# Altium PCB Spektrop2_PCB_Combined_CMV4000_V1.PcbDoc (part 5 of 6)
Units mm, origin at the board's own origin, x right, y up, seen from the top; angles counter-clockwise.
Board outline 87 x 42 mm, 8 copper layers (TOP, L1-GND, L2, L3-1V8, L4-PWR, L5, L6-P2V5, BTM), stack 1.588 mm thick; 353 components, 311 nets, 2431 pads, 951 vias.
Unrouted connection lines stored in the file: 2.
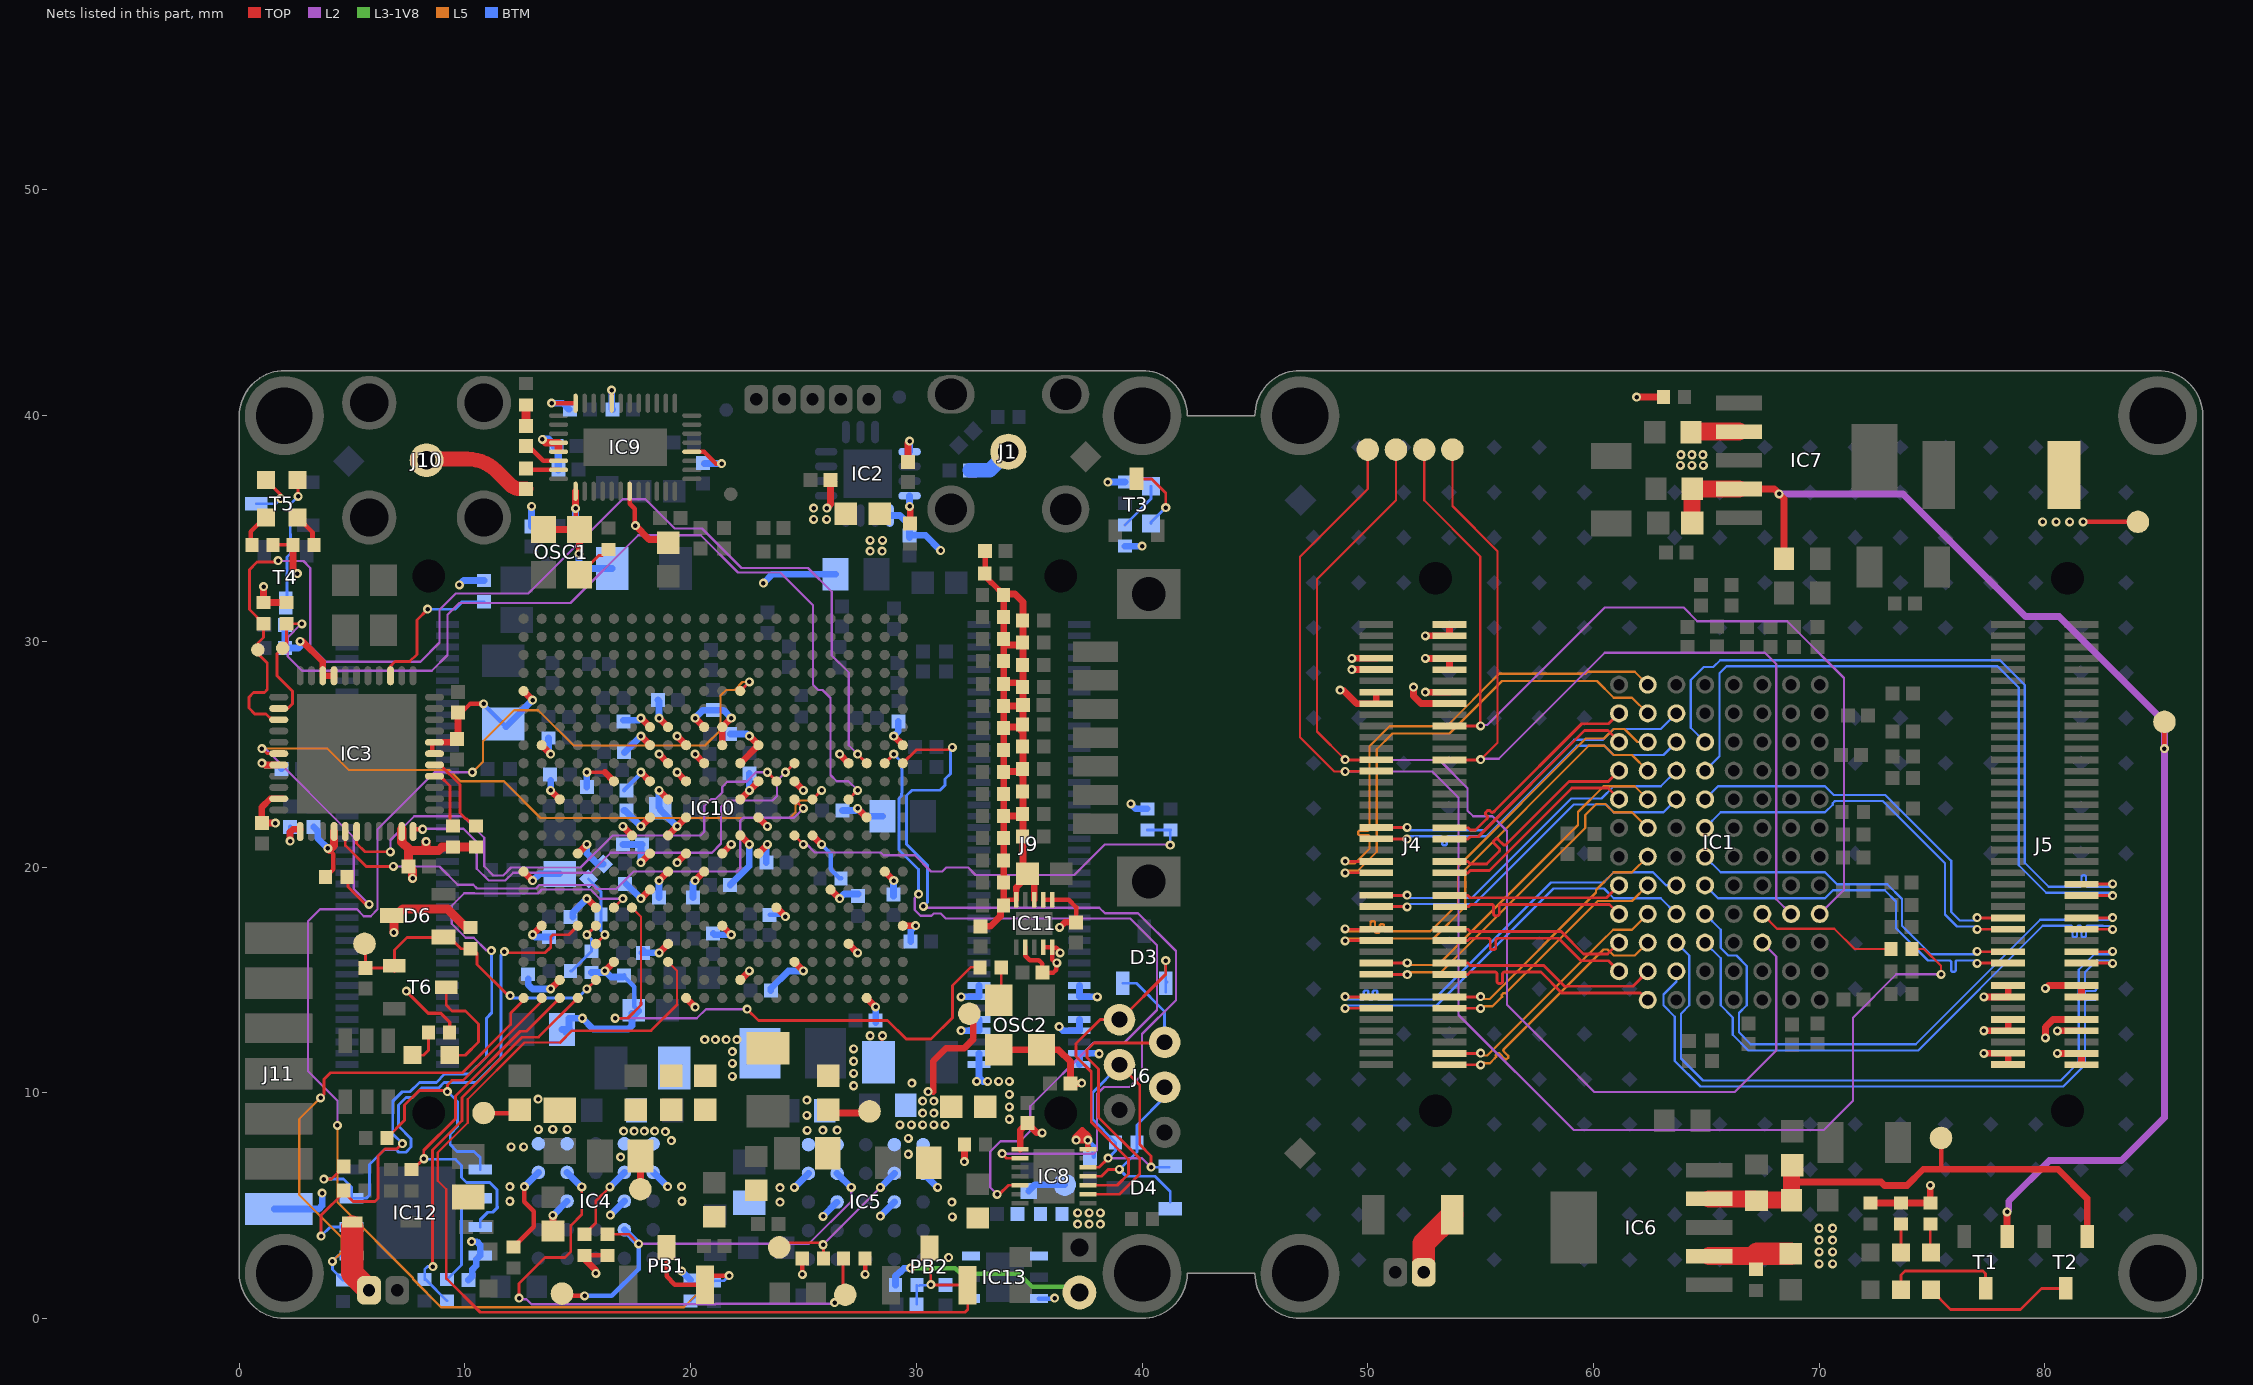
[diagram p11: the nets of this part, all layers, seen from the top]

## Via types
v1: diameter 0.4, hole 0.2, TOP to BTM, tented both sides, 949 vias
v2: diameter 0.4/0.4/0.4/0.4/0.6 (per signal layer), hole 0.2, TOP to BTM, tented top, 2 vias

## Nets (pads, with @x,y where several pads share a name; then routed paths per layer and width w, separated by ;. In a path a pad name is that pad's centre, name@x,y a point inside that pad or via, vN(x,y) a via of type N, cw(c..) or ccw(c..) an arc to the next point about the centre after c; other vN are vias at no path point) (continued)
NetLD3_1: LD3.1 T1.3 | length 5.2
  TOP w0.125: LD3.1@73.625,1.271 73.625,1.921 73.8,2.096 77.259,2.096 77.375,1.98 T1.3@77.375,1.33
NetLD3_2: LD3.2 R29.1 | length 1.3
  TOP w0.125: LD3.2@73.625,2.921 LD3.2@73.625,2.921 R29.1@73.624,4.176
NetLD4_1: LD4.1 T2.3 | length 6.7
  TOP w0.125: LD4.1@74.95,1.271 75.825,0.396 78.925,0.396 79.859,1.33 T2.3@80.925,1.33
NetLD4_2: LD4.2 R30.1 | length 1.3
  TOP w0.125: R30.1@74.925,4.176 74.925,2.946 LD4.2@74.95,2.921
NetLD5_1: LD5.1 T3.3 | length 3.2
  TOP w0.125: T3.3@39.753,37.197 40.428,37.197 41.05,36.575 v1(41.05,35.925)
  BTM w0.125: LD5.1@40.403,35.222 40.403,35.278 v1(41.05,35.925)
NetLD5_2: LD5.2 R39.1 | length 2.2
  BTM w0.125: R39.1@39.242,35.157 40.403,36.318 LD5.2@40.403,36.872
NetLD6_1: LD6.1 T4.3 | length 5.7
  TOP w0.125: LD6.1@2.586,37.121 2.605,37.102 v1(2.605,36.421)
  BTM w0.125: T4.3@2.05,31.7 2.113,31.763 2.113,33.736 2.275,33.898 2.275,34.752 2.263,34.764 2.263,36.078 v1(2.605,36.421)
NetLD6_2: LD6.2 R69.1 | length 1.5
  TOP w0.2: LD6.2@2.586,35.496 3.245,34.837 R69.1@3.245,34.275
NetLD7_1: LD7.1 T5.3 | length 2.3
  TOP w0.125: LD7.1@1.186,37.146 1.836,36.496 v1(1.836,36.321)
  BTM w0.125: T5.3@0.75,36.1 1.614,36.1 v1(1.836,36.321)
NetLD7_2: LD7.2 R70.1 | length 1.5
  TOP w0.2: R70.1@0.485,34.275 0.5,34.29 0.5,34.85 1.146,35.496 LD7.2@1.186,35.496
NetLD8_1: LD8.1 T6.3 | length 4.6
  TOP w0.125: T6.3@9.175,14.425 9.175,13.875 9.425,13.625 10.025,13.625 10.6,13.05 10.6,12.25 10.012,11.662 LD8.1@9.325,11.662
NetLD8_2: LD8.2 R82.1 | length 1.6
  TOP w0.125: LD8.2@7.675,11.662 8.163,11.662 8.38,11.88 R82.1@8.38,12.675 R82.1@8.38,12.725
NetOSC1_3: OSC1.3 R35.1 | length 1.8
  TOP w0.125: OSC1.3@15.075,32.95 15.925,33.8 16.086,33.8 R35.1@16.361,34.075
NetOSC2_3: OSC2.3 R75.2 | length 1.5
  TOP w0.125: OSC2.3@33.65,14.1 33.763,14.213 R75.2@33.763,15.557
nSDO0: C74.2 R34.1 | length 0.9
  TOP w0.4: C74.2@12.712,39.55 R34.1@12.712,40.48
nSDO0_C: C74.1 IC9.26 | length 1.7
  TOP w0.2: C74.1@12.712,38.65 12.825,38.65 13.475,38 IC9.26@14.15,38
OUT1_N: IC1.C2 J5.61 | length 32.2
  TOP w0.125: J5.61@81.626,15.746 82.987,15.746 v1(82.999,15.733)
  BTM w0.1: IC1.C2@63.675,15.381 63.675,14.924 63.1,14.349 63.1,13.873 63.605,13.368 63.605,11.409 64.738,10.276 80.812,10.276 81.775,11.239 81.775,13.846 81.775,13.911 81.775,14.041 cw(c81.845,14.041) 81.845,14.111 82.205,14.111 ccw(c82.205,14.181) 82.275,14.181 82.275,14.241 ccw(c82.205,14.241) 82.205,14.311 81.845,14.311 cw(c81.845,14.381) 81.775,14.381 81.775,14.441 cw(c81.845,14.441) 81.845,14.511 82.205,14.511 ccw(c82.205,14.581) 82.275,14.581 82.275,14.641 ccw(c82.205,14.641) 82.205,14.711 81.845,14.711 cw(c81.845,14.781) 81.775,14.781 81.775,14.911 81.775,15.111 81.775,15.211 81.775,15.336 82.3,15.861 82.872,15.861 v1(82.999,15.733)
OUT1_P: IC1.C3 J5.59 | length 31.2
  TOP w0.125: J5.59@81.626,16.246 82.987,16.246 v1(82.999,16.258)
  BTM w0.1: IC1.C3@63.675,16.651 64.25,16.076 64.25,13.873 63.875,13.498 63.875,11.521 64.85,10.546 80.7,10.546 81.505,11.351 81.505,15.448 82.188,16.131 82.872,16.131 v1(82.999,16.258)
OUT2_N: IC1.A2 J4.57 | length 9
  TOP w0.125: J4.57@53.626,16.742 54.438,16.742 54.541,16.845 55.05,16.845 55.175,16.845 55.338,16.845 cw(c55.338,16.758) 55.425,16.758 55.425,16.433 ccw(c55.513,16.433) 55.513,16.345 55.588,16.345 ccw(c55.588,16.433) 55.675,16.433 55.675,16.758 cw(c55.763,16.758) 55.763,16.845 55.85,16.845 58.451,16.845 59.445,15.851 60.665,15.851 IC1.A2@61.135,15.381
OUT2_P: IC1.A3 J4.55 | length 8.2
  TOP w0.125: J4.55@53.626,17.243 54.438,17.243 54.541,17.14 58.573,17.14 59.567,16.146 60.63,16.146 IC1.A3@61.135,16.651
OUT3_N: IC1.D3 J5.55 | length 27.2
  TOP w0.125: J5.55@81.626,17.246 82.987,17.246 v1(82.999,17.233)
  BTM w0.1: IC1.D3@64.945,16.651 65.64,15.956 65.64,13.873 66.175,13.338 66.175,12.564 66.863,11.876 74.387,11.876 79.907,17.396 80.925,17.396 81.025,17.396 81.155,17.396 cw(c81.155,17.326) 81.225,17.326 81.225,16.966 ccw(c81.295,16.966) 81.295,16.896 81.355,16.896 ccw(c81.355,16.966) 81.425,16.966 81.425,17.326 cw(c81.495,17.326) 81.495,17.396 81.555,17.396 cw(c81.555,17.326) 81.625,17.326 81.625,16.966 ccw(c81.695,16.966) 81.695,16.896 81.755,16.896 ccw(c81.755,16.966) 81.825,16.966 81.825,17.326 cw(c81.895,17.326) 81.895,17.396 82.025,17.396 82.1,17.396 82.575,17.396 82.588,17.383 82.849,17.383 v1(82.999,17.233)
OUT3_P: IC1.D4 J5.53 | length 26.8
  TOP w0.125: J5.53@81.626,17.746 82.987,17.746 v1(82.999,17.758)
  BTM w0.1: IC1.D4@64.945,17.921 65.64,17.226 65.64,16.413 65.977,16.076 66.333,16.076 66.79,15.619 66.79,13.873 66.445,13.528 66.445,12.676 66.975,12.146 74.275,12.146 79.795,17.666 82.907,17.666 v1(82.999,17.758)
OUT4_N: IC1.B3 J4.79 | length 12.1
  TOP w0.125: J4.79@53.626,11.242 54.988,11.242 v1(55,11.23)
  L5 w0.1: v1(55,11.23) 55.103,11.333 55.167,11.333 55.188,11.312 55.412,11.312 55.625,11.525 55.696,11.596 cw(c55.745,11.645) 55.696,11.695 55.738,11.737 cw(c55.788,11.688) 55.837,11.737 56.071,11.503 ccw(c56.121,11.553) 56.17,11.503 56.213,11.545 ccw(c56.163,11.595) 56.213,11.644 56.028,11.829 cw(c56.078,11.879) 56.028,11.928 56.036,11.935 60.45,16.35 60.623,16.35 60.897,16.076 61.83,16.076 IC1.B3@62.405,16.651
OUT4_P: IC1.B4 J4.77 | length 11.4
  TOP w0.125: J4.77@53.626,11.743 54.988,11.743 v1(55,11.755)
  L5 w0.1: v1(55,11.755) 55.103,11.653 55.3,11.653 60.332,16.684 60.874,17.226 61.71,17.226 IC1.B4@62.405,17.921
OUT5_N: IC1.A4 J4.51 | length 8.6
  TOP w0.125: J4.51@53.638,18.24 54.451,18.24 54.554,18.344 55.2,18.344 55.325,18.344 55.488,18.344 cw(c55.488,18.256) 55.575,18.256 55.575,17.931 ccw(c55.663,17.931) 55.663,17.844 55.738,17.844 ccw(c55.738,17.931) 55.825,17.931 55.825,18.256 cw(c55.913,18.256) 55.913,18.344 55.95,18.344 60.712,18.344 IC1.A4@61.135,17.921
OUT5_P: IC1.A5 J4.49 | length 7.8
  TOP w0.125: J4.49@53.626,18.742 54.438,18.742 54.542,18.639 60.582,18.639 IC1.A5@61.135,19.191
OUT6_N: IC1.C4 J4.70 | length 18.7
  TOP w0.125: v1(49.001,13.733) 49.013,13.746 J4.70@50.374,13.746
  BTM w0.1: v1(49.001,13.733) 49.128,13.861 53.047,13.861 58.232,19.046 60.467,19.046 60.897,18.616 62.98,18.616 IC1.C4@63.675,17.921
OUT6_P: IC1.C5 J4.68 | length 20
  TOP w0.125: v1(49.001,14.258) 49.013,14.246 J4.68@50.374,14.246
  BTM w0.1: v1(49.001,14.258) 49.128,14.131 49.725,14.131 49.755,14.131 ccw(c49.755,14.201) 49.825,14.201 49.825,14.461 cw(c49.895,14.461) 49.895,14.531 49.955,14.531 cw(c49.955,14.461) 50.025,14.461 50.025,14.201 ccw(c50.095,14.201) 50.095,14.131 50.155,14.131 ccw(c50.155,14.201) 50.225,14.201 50.225,14.461 cw(c50.295,14.461) 50.295,14.531 50.355,14.531 cw(c50.355,14.461) 50.425,14.461 50.425,14.201 ccw(c50.495,14.201) 50.495,14.131 50.625,14.131 50.675,14.131 52.935,14.131 58.12,19.316 60.447,19.316 60.897,19.766 62.643,19.766 63.218,19.191 IC1.C5@63.675,19.191
OUT7_N: IC1.B5 J4.69 | length 11.1
  TOP w0.125: J4.69@53.626,13.746 54.987,13.746 v1(54.999,13.733)
  L5 w0.1: v1(54.999,13.733) 55.102,13.836 55.533,13.836 55.884,14.187 55.955,14.258 cw(c56.004,14.307) 55.955,14.357 55.997,14.399 cw(c56.046,14.35) 56.096,14.399 56.159,14.462 60.193,18.496 61.71,18.496 IC1.B5@62.405,19.191
OUT7_P: IC1.B6 J4.67 | length 11.5
  TOP w0.125: J4.67@53.626,14.246 54.987,14.246 v1(54.999,14.258)
  L5 w0.1: v1(54.999,14.258) 55.102,14.156 55.4,14.156 60.115,18.871 60.115,18.984 60.897,19.766 61.71,19.766 IC1.B6@62.405,20.461
OUT8_N: IC1.D5 J5.62 | length 16.7
  TOP w0.125: v1(77.001,15.733) 77.013,15.746 J5.62@78.374,15.746
  BTM w0.1: IC1.D5@64.945,19.191 65.52,18.616 70.263,18.616 70.618,18.971 72.91,18.971 73.405,18.476 73.405,17.284 74.828,15.861 75.55,15.861 75.65,15.861 75.78,15.861 cw(c75.78,15.791) 75.85,15.791 75.85,15.431 ccw(c75.92,15.431) 75.92,15.361 75.98,15.361 ccw(c75.98,15.431) 76.05,15.431 76.05,15.791 cw(c76.12,15.791) 76.12,15.861 76.25,15.861 76.425,15.861 76.873,15.861 v1(77.001,15.733)
OUT8_P: IC1.D6 J5.60 | length 16
  TOP w0.125: v1(77.001,16.258) 77.013,16.246 J5.60@78.374,16.246
  BTM w0.1: IC1.D6@64.945,20.461 65.64,19.766 70.263,19.766 70.788,19.241 73.022,19.241 73.675,18.588 73.675,17.396 74.94,16.131 76.873,16.131 v1(77.001,16.258)
OUT9_N: IC1.D7 J5.56 | length 17.7
  TOP w0.125: v1(77,17.233) 77.012,17.246 J5.56@78.374,17.246
  BTM w0.1: IC1.D7@64.945,21.731 65.64,22.426 70.263,22.426 70.6,22.763 70.6,22.826 70.7,22.926 72.82,22.926 75.58,20.166 75.58,17.894 76.113,17.361 76.873,17.361 v1(77,17.233)
OUT9_P: IC1.D8 J5.54 | length 17.5
  TOP w0.125: v1(77,17.758) 77.012,17.746 J5.54@78.374,17.746
  BTM w0.1: IC1.D8@64.945,23.001 65.52,23.576 70.263,23.576 70.643,23.196 72.932,23.196 75.845,20.283 75.85,20.278 75.85,18.006 76.225,17.631 76.873,17.631 v1(77,17.758)
OUT10_N: IC1.B7 J4.64 | length 15.9
  TOP w0.125: J4.64@50.376,15.246 51.738,15.246 v1(51.75,15.233)
  L5 w0.1: v1(51.75,15.233) 51.853,15.336 53.242,15.336 59.633,21.726 59.633,22.301 60.126,22.795 60.528,22.795 60.897,22.426 61.71,22.426 IC1.B7@62.405,21.731
OUT10_P: IC1.B8 J4.62 | length 15.9
  TOP w0.125: J4.62@50.376,15.746 51.738,15.746 v1(51.75,15.758)
  L5 w0.1: v1(51.75,15.758) 51.853,15.656 52.6,15.656 53.11,15.656 59.313,21.858 59.313,22.433 60.455,23.576 61.83,23.576 IC1.B8@62.405,23.001
OUT11_N: IC1.C8 J4.52 | length 15.6
  TOP w0.125: J4.52@50.375,18.246 51.737,18.246 v1(51.749,18.234)
  BTM w0.1: v1(51.749,18.234) 51.877,18.361 54.722,18.361 59.132,22.771 60.552,22.771 60.897,22.426 63.1,22.426 IC1.C8@63.675,23.001
OUT11_P: IC1.C9 J4.50 | length 15.7
  TOP w0.125: J4.50@50.375,18.746 51.737,18.746 v1(51.749,18.759)
  BTM w0.1: v1(51.749,18.759) 51.877,18.631 54.61,18.631 59.02,23.041 60.362,23.041 60.897,23.576 62.98,23.576 IC1.C9@63.675,24.271
OUT12_N: IC1.A8 J4.45 | length 9.3
  TOP w0.125: J4.45@53.626,19.743 54.438,19.743 54.541,19.845 55.391,19.845 59.042,23.496 60.64,23.496 IC1.A8@61.135,23.001
OUT12_P: IC1.A9 J4.43 | length 10.1
  TOP w0.125: J4.43@53.626,20.243 54.438,20.243 54.541,20.14 55.269,20.14 55.8,20.671 55.827,20.698 ccw(c55.765,20.759) 55.827,20.821 55.597,21.051 cw(c55.659,21.113) 55.597,21.175 55.65,21.228 cw(c55.712,21.166) 55.773,21.228 56.003,20.998 ccw(c56.065,21.06) 56.127,20.998 56.212,21.083 58.92,23.791 60.655,23.791 IC1.A9@61.135,24.271
OUT13_N: IC1.B9 J4.58 | length 19.9
  TOP w0.125: v1(49.001,16.733) 49.013,16.746 J4.58@50.374,16.746
  L5 w0.1: v1(49.001,16.733) 49.103,16.836 52.917,16.836 54.32,18.238 54.32,19.896 59.795,25.371 60.492,25.371 60.897,24.966 61.71,24.966 IC1.B9@62.405,24.271
  L5 w0.125: v1(49.001,16.733) v1@49.001,16.823
OUT13_P: IC1.B10 J4.56 | length 21.3
  TOP w0.125: v1(49.001,17.258) 49.013,17.246 J4.56@50.374,17.246
  L5 w0.1: v1(49.001,17.258) 49.103,17.156 50.025,17.156 50.055,17.156 ccw(c50.055,17.226) 50.125,17.226 50.125,17.532 cw(c50.195,17.532) 50.195,17.602 50.255,17.602 cw(c50.255,17.532) 50.325,17.532 50.325,17.156 ccw(c50.395,17.156) 50.395,17.086 50.455,17.086 ccw(c50.455,17.156) 50.525,17.156 50.525,17.397 cw(c50.595,17.397) 50.595,17.467 50.655,17.467 cw(c50.655,17.397) 50.725,17.397 50.725,17.226 ccw(c50.795,17.226) 50.795,17.156 50.9,17.156 52.785,17.156 54,18.371 54,20.029 59.662,25.691 60.472,25.691 60.897,26.116 61.373,26.116 61.948,25.541 IC1.B10@62.405,25.541
  L5 w0.125: v1@49.001,17.168 v1(49.001,17.258)
OUT14_N: IC1.D9 J5.49 | length 32.3
  TOP w0.125: J5.49@81.626,18.746 82.987,18.746 v1(82.999,18.733)
  BTM w0.1: IC1.D9@64.945,24.271 65.586,24.913 65.586,28.585 65.898,28.896 77.9,28.896 78.842,27.954 78.842,20.082 80.063,18.861 82.872,18.861 v1(82.999,18.733)
OUT14_P: IC1.D10 J5.47 | length 33.1
  TOP w0.125: J5.47@81.626,19.246 82.987,19.246 v1(82.999,19.258)
  BTM w0.1: IC1.D10@64.945,25.541 64.316,26.17 64.316,28.287 64.891,28.862 65.309,28.862 65.613,29.166 78.012,29.166 79.112,28.066 79.112,20.194 80.175,19.131 81.125,19.131 81.225,19.131 81.425,19.131 81.555,19.131 ccw(c81.555,19.201) 81.625,19.201 81.625,19.561 cw(c81.695,19.561) 81.695,19.631 81.755,19.631 cw(c81.755,19.561) 81.825,19.561 81.825,19.201 ccw(c81.895,19.201) 81.895,19.131 81.95,19.131 82.872,19.131 v1(82.999,19.258)
OUT15_N: IC1.A10 J4.39 | length 9.7
  TOP w0.125: J4.39@53.626,21.243 54.438,21.243 54.54,21.345 54.897,21.345 59.603,26.051 60.65,26.051 61.135,25.566 IC1.A10@61.135,25.541
OUT15_P: IC1.A11 J4.37 | length 10
  TOP w0.125: J4.37@53.626,21.742 54.438,21.742 54.54,21.64 54.775,21.64 55.256,22.121 55.282,22.148 ccw(c55.221,22.209) 55.282,22.271 55.241,22.313 cw(c55.303,22.375) 55.241,22.437 55.294,22.49 cw(c55.356,22.428) 55.418,22.49 55.459,22.448 ccw(c55.521,22.51) 55.583,22.448 55.678,22.543 59.481,26.346 60.67,26.346 IC1.A11@61.135,26.811
OUT16_N: IC1.C10 J4.40 | length 16.1
  TOP w0.125: J4.40@50.375,21.246 51.737,21.246 v1(51.749,21.234)
  BTM w0.1: v1(51.749,21.234) 51.877,21.361 53,21.361 53.1,21.361 53.23,21.361 cw(c53.23,21.291) 53.3,21.291 53.3,21.031 ccw(c53.37,21.031) 53.37,20.961 53.43,20.961 ccw(c53.43,21.031) 53.5,21.031 53.5,21.291 cw(c53.57,21.291) 53.57,21.361 53.7,21.361 53.85,21.361 55.247,21.361 59.257,25.371 60.492,25.371 60.897,24.966 63.1,24.966 IC1.C10@63.675,25.541
OUT16_P: IC1.C11 J4.38 | length 15.5
  TOP w0.125: J4.38@50.375,21.746 51.737,21.746 v1(51.749,21.759)
  BTM w0.1: v1(51.749,21.759) 51.877,21.631 55.135,21.631 59.145,25.641 60.422,25.641 60.897,26.116 62.98,26.116 IC1.C11@63.675,26.811
OUTCLK_N: IC1.B11 J4.46 | length 21.6
  TOP w0.125: v1(49,19.737) 49.012,19.749 J4.46@50.374,19.75
  L5 w0.1: v1(49,19.737) 49.103,19.839 49.558,19.839 50.395,20.677 50.395,25.216 51.1,25.921 53.628,25.921 55.953,28.246 60.157,28.246 60.897,27.506 61.71,27.506 IC1.B11@62.405,26.811
OUTCLK_P: IC1.B12 J4.44 | length 22.1
  TOP w0.125: v1(49,20.262) 49.012,20.25 J4.44@50.374,20.25
  L5 w0.1: v1(49,20.262) 49.103,20.159 49.425,20.159 50.075,20.809 50.075,21.311 50.075,21.341 ccw(c50.005,21.341) 50.005,21.411 49.647,21.411 cw(c49.647,21.481) 49.577,21.481 49.577,21.541 cw(c49.647,21.541) 49.647,21.611 50.005,21.611 ccw(c50.005,21.681) 50.075,21.681 50.075,21.811 50.075,25.349 50.967,26.241 53.495,26.241 55.82,28.566 59.65,28.566 59.74,28.656 61.83,28.656 IC1.B12@62.405,28.081
OUTCTR_N: IC1.B1 J4.63 | length 10.2
  TOP w0.125: J4.63@53.626,15.242 54.438,15.242 54.541,15.345 55.35,15.345 55.475,15.345 55.638,15.345 cw(c55.638,15.257) 55.725,15.257 55.725,14.932 ccw(c55.813,14.932) 55.813,14.845 55.888,14.845 ccw(c55.888,14.932) 55.975,14.932 55.975,15.257 cw(c56.063,15.257) 56.063,15.345 56.225,15.345 56.475,15.345 56.515,15.345 57.676,15.345 58.595,14.426 62.09,14.426 IC1.B1@62.405,14.111
OUTCTR_P: IC1.B2 J4.61 | length 9.5
  TOP w0.125: J4.61@53.626,15.743 54.438,15.743 54.541,15.64 57.798,15.64 58.717,14.721 61.745,14.721 IC1.B2@62.405,15.381
P0V9: C89.2 C90.2 C93.2 C171.2 IC11.3 IC11.5 R43.2 R44.2 R45.2 R46.2 R47.2 R48.2 R49.2 R50.2 R51.2 R52.2 R53.2 R54.2 R55.2 R56.2 R57.2 R58.2 R59.2 R60.2 R61.2 R62.2 R63.2 R64.2 R65.2 R66.2 R67.2 R68.2 | length 40
  TOP w0.2: R53.2@33.807,18.288 33.87,18.35 34.07,18.55 IC11.5@34.425,18.55 ; R53.2@33.82,18.225 33.87,18.275 R53.2@33.883,18.288
  TOP w0.25: C89.2@33.05,34 33.05,33.02 R48.2@33.03,33 33.03,32.89 33.31,32.61 33.324,32.61 33.87,32.064 R47.2@33.87,32.05 ; IC11.5@34.425,18.55 34.425,18.985
  TOP w0.3: C90.2@32.85,17.375 33.275,17.375 33.722,17.822 33.722,18.128 R53.2@33.82,18.225 ; R53.2@33.82,18.275 R53.2@33.82,18.225 ; R47.2@33.87,32.05 R46.2@33.87,31.075 R44.2@33.87,30.1 R44.2@33.87,29.838 ; R47.2@33.87,32.064 33.87,32.1 34.375,32.1 34.73,31.745 R45.2@34.73,29.838 ; 34.425,18.985 34.425,19.1 C93.2@35.025,19.7 ; IC11.3@35.225,18.55 35.225,19.5 C93.2@35.025,19.7 ; R53.2@33.82,18.225 33.87,18.275 R53.2@33.87,18.3 33.87,18.35 R57.2@33.87,20.3 R56.2@33.87,21.277 R67.2@33.87,22.254 R67.2@33.87,22.267 ; R67.2@33.87,22.267 34.551,22.267 R51.2@34.73,22.088 ; R67.2@33.87,22.267 R66.2@33.87,23.231 R68.2@33.87,24.208 R68.2@33.87,24.233 ; R68.2@33.87,24.233 34.522,24.233 R52.2@34.73,24.025 ; R68.2@33.87,24.233 R63.2@33.87,25.185 R62.2@33.87,26.162 R62.2@33.87,26.2 ; R62.2@33.87,26.2 34.492,26.2 34.73,25.963 ; R62.2@33.87,26.2 R65.2@33.87,27.138 ; R65.2@33.87,27.138 34.492,27.138 C171.2@34.73,26.9 ; R65.2@33.87,27.138 R64.2@33.87,28.115 R64.2@33.87,28.167 ; R64.2@33.87,28.167 34.463,28.167 R60.2@34.73,27.9 ; R64.2@33.87,28.167 R50.2@33.87,29.125 R44.2@33.87,29.838 ; R44.2@33.87,29.838 R45.2@34.73,29.838 ; R51.2@34.73,22.088 34.73,19.995 C93.2@35.025,19.7 ; R51.2@34.73,22.088 R52.2@34.73,24.025 ; R52.2@34.73,24.025 34.73,25.963 ; 34.73,25.963 C171.2@34.73,26.9 ; C171.2@34.73,26.9 R60.2@34.73,27.9 ; R60.2@34.73,27.9 R45.2@34.73,29.838
P1V0: C109.1 C110.1 C111.1 C112.1 C113.1 C121.1 C122.1 C123.1 C124.1 C125.1 C126.1 C127.1 C143.1 C144.1 C145.1 IC10.G15 IC10.H12 IC10.H14 IC10.J9 IC10.J11 IC10.J13 IC10.J15 IC10.K10 IC10.L9 IC10.L15 IC10.M10 IC10.N9 IC10.N15 IC10.P10 IC10.R9 IC10.R15 L3.2 L4.2 | length 21.6
  TOP w0.3: v1(17.799,18.6) IC10.G15@18.199,19 ; v1(17.799,20.2) IC10.J15@18.199,20.6 ; v1(17.799,21.8) IC10.L15@18.199,22.2 ; v1(17.799,24.2) IC10.N15@18.199,23.8 ; v1(17.799,25.8) IC10.R15@18.199,25.4 ; v1(18.599,19.4) IC10.H14@18.999,19.8 ; v1(19.399,20.2) IC10.J13@19.799,20.6 ; v1(20.199,19.4) IC10.H12@20.599,19.8 ; IC10.J11@21.399,20.6 v1(21.799,21) ; IC10.K10@22.199,21.4 v1(22.599,21) ; IC10.M10@22.199,23 v1(22.599,23.4) IC10.N9@22.999,23.8 ; IC10.P10@22.199,24.6 IC10.R9@22.999,25.4 v1(22.599,25.8) ; IC10.J9@22.999,20.6 v1(23.399,21) ; IC10.L9@22.999,22.2 v1(23.399,21.8)
  BTM w0.2: C127.1@17.05,23.4 v1@17.799,24.149 ; v1@22.597,21.002 v1(22.599,21) ; v1@23.349,21.05 v1(23.399,21)
  BTM w0.3: C125.1@16.999,21 C126.1@17.799,21 ; C122.1@17.049,22.51 17.089,22.51 v1(17.799,21.8) ; C110.1@17.075,25.075 v1(17.799,25.8) ; C123.1@17.124,19.274 v1(17.799,18.6) ; v1(17.799,20.2) C126.1@17.799,21 ; v1@17.799,24.149 v1(17.799,24.2) ; C126.1@17.85,21 C126.1@17.799,21 ; C121.1@18.599,18.65 v1(18.599,19.4) ; C113.1@20.1,18.65 20.1,19.3 v1(20.199,19.4) ; C124.1@21.75,19.2 22.597,20.047 v1@22.597,21.002 ; C144.1@21.75,25.9 22.499,25.9 v1(22.599,25.8) ; v1@22.6,23.4 C145.1@22.6,24.15 ; C111.1@23.35,20.2 23.35,20.95 v1(23.399,21)
  other v1: 21.85,10.725 21.85,11.3 21.85,11.825 20.625,12.35 21.1,12.35 21.575,12.35 22.05,12.35
P1V0_EN: IC4.D2 R12.2 | length 3.4
  TOP w0.125: R12.2@15.3,3.73 15.797,4.227 15.797,5.198 v1(16.425,5.825)
  BTM w0.3: v1@16.44,5.845 IC4.D2@17.065,6.47
P1V0_L: C53.2 C54.2 IC4.D1 IC4.E1 L3.1 L4.1 L5.1 TP5.1 | length 2.1
  TOP w0.3: TP5.1@17.775,5.725 C53.2@17.775,7.2
  TOP w0.5: L5.1@17.575,9.25 L5.1@17.7,9.125 ; L4.1@19.1,9.25 L4.1@19.137,9.213 ; L4.1@19.137,9.125 L4.1@19.137,9.213 ; L4.1@19.137,9.25 L4.1@19.137,9.213 ; L4.1@19.175,9.25 19.15,9.225 19.175,9.2 19.175,9.175 L4.1@19.137,9.213 ; L3.1@20.7,9.125 L3.1@20.7,9.25
  other v1: 16.9,7.15 19.15,7.875 18.883,8.275 17.033,8.3 17.492,8.3 17.95,8.3 18.408,8.3
P1V2: C57.2 C58.2 IC4.A1 IC4.B1 L2.1 L6.1 TP8.1 | length 1.9
  TOP w0.2: TP8.1@10.6,9.1 10.615,9.085 L6.1@12.454,9.085
  other v1: 12.05,7.6 12.6,7.6 13.255,8.38 13.89,8.375 14.525,8.38 13.24,9.716 27.95,34 28.488,34.002 27.95,34.475 28.5,34.475
P1V2_EN: IC4.B2 R18.2 TP10.1 | length 23.9
  TOP w0.125: v1(12.4,0.9) 12.4,1.55 13.55,2.7 14.425,2.7 14.691,2.966 14.691,4.116 15.175,4.6 v1(15.175,5.825) ; v1(26.375,0.7) 26.5,0.7 TP10.1@26.85,1.05 26.747,1.153 26.747,2.617 R18.2@26.78,2.65
  L2 w0.1: v1(12.4,0.9) 12.45,0.85 12.725,0.85 12.95,0.625 21.095,0.625 21.12,0.65 26.325,0.65 v1(26.375,0.7)
  BTM w0.3: IC4.B2@14.525,6.47 v1@15.15,5.845
P1V2_F: C37.1 C38.1 C39.1 IC2.9 IC2.12 L2.2 | length 4
  TOP w0.3: v1(26.031,35.902) 26.2,36.071 C37.1@26.2,37.15 ; C39.1@29.625,37.95 29.625,38.8 v1(29.7,38.875) ; v1(29.7,35.975) cw(c29.64,35.915) 29.725,35.915 C38.1@29.725,35.225
  BTM w0.3: v1(29.7,35.975) IC2.12@29.7,36.45 ; IC2.9@29.7,38.4 v1(29.7,38.875)
  other v1: 25.444,35.4 26.025,35.4 25.45,35.902
P1V8: C40.1 C41.2 C42.2 C43.2 C44.2 C45.2 C72.2 C77.2 C79.2 C80.2 C81.2 C82.2 C83.2 C92.1 C114.1 C115.1 C116.1 C120.1 C128.1 C129.1 C130.1 C140.1 C141.1 C142.1 C152.1 C153.1 C154.1 C155.1 C156.1 C157.1 C158.1 C159.1 C160.1 C161.1 C164.1 C167.1 D6.3 IC2.13 IC3.21 IC3.26 IC3.32 IC3.39 IC3.40 IC8.1 IC9.4 IC9.16 IC9.20 IC9.29 IC9.35 IC10.A13 IC10.B10 IC10.B20 IC10.C17 IC10.D14 IC10.E11 IC10.E21 IC10.F18 IC10.H2 IC10.H22 IC10.J19 IC10.K6 IC10.K14 IC10.K16 IC10.L3 IC10.L13 IC10.M14 IC10.M20 IC10.N7 IC10.N13 IC10.N17 IC10.P4 IC10.P12 IC10.P14 IC10.R1 IC10.R11 IC10.R13 IC10.R21 IC10.T11 IC10.T12 IC10.T14 IC10.T15 IC10.V22 IC11.1 IC11.2 IC12.8 J11.2 J12.2 L8.2 L9.2 L12.1 OSC1.1 OSC1.4 OSC2.1 OSC2.4 R6.1 R7.1 R8.1 R9.1 R10.2 R11.2 R33.2 R37.1 R40.2 R41.2 R42.2 R72.1 R83.2 R84.2 R85.1 R86.1 | length 123.4
  TOP w0.15: v1(15.399,24.2) 16.199,24.2
  TOP w0.2: R9.1@3.83,19.55 4.175,19.895 4.175,20.575 4,20.75 v1(3.925,20.825) ; IC3.26@4.2,21.575 IC3.26@4.2,21.675 ; IC3.39@8.55,25.025 IC3.40@8.55,25.525 ; C42.2@9.7,25.675 C42.2@9.7,25.776 ; C41.2@9.7,26.85 9.849,26.85 10.224,27.225 v1(10.825,27.225) ; v1(13.844,40.55) IC9.20@14.9,40.55 ; OSC1.4@14.9,35.125 v1(14.9,35.888) ; IC9.16@16.5,40.55 v1(16.5,41.135) ; IC9.35@17.3,36.65 17.3,36.101 17.525,35.876 17.525,35.15 v1(17.55,35.125) ; C81.2@18.688,34.512 C81.2@19,34.2 ; IC9.4@20.05,38.4 20.593,38.4 21.121,37.872 21.124,37.875 v1(21.375,37.875) ; IC11.2@35.625,18.55 IC11.1@36.025,18.55 36.75,18.55 37.075,18.225 C92.1@37.075,17.55